# KiCad board CXD-ROUTER-v1.2.0.kicad_pcb (continued)
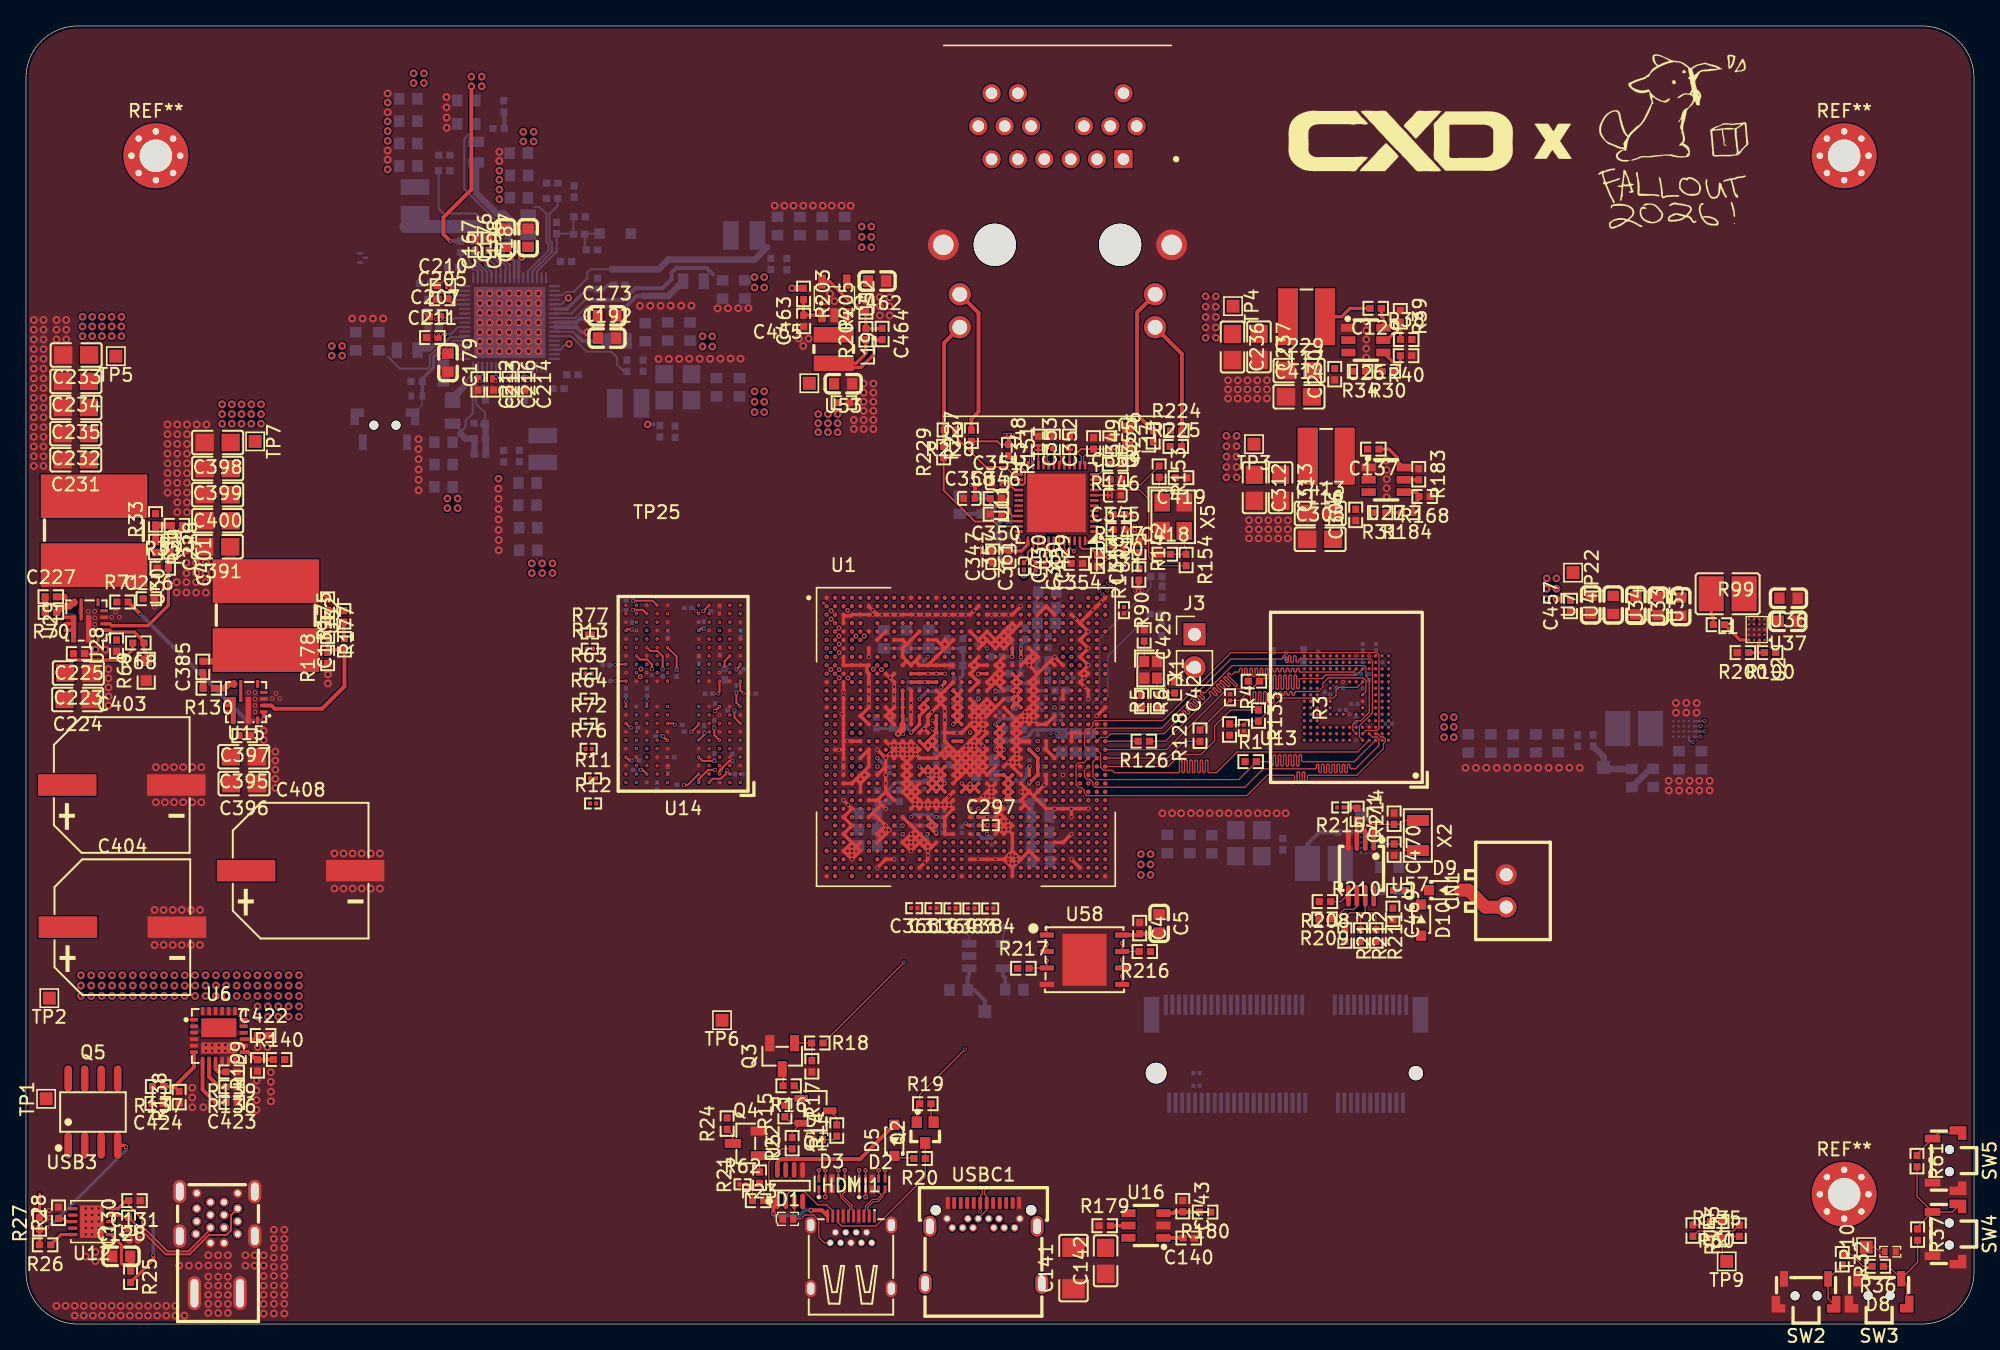
[diagram p0: board, top side]
## Routing (per net, layer and track width the routed paths; a pad name or vN(x,y) marks a point on that pad's centre or on a via; arc(x,y) is an arc through that point) (continued)
VCC1V8_PMU_DDR_S3: length 1.3
  Bottom w0.3: R47.1 36.83,93.34 R48.1
  vias: v2(46.2,52.12) v2(46.2,44.98) v2(48.6,51.48) v2(48.6,45.62) v2(52.6,51.48) v2(52.6,45.62) v2(55,52.12) v2(55,44.98)
VCC3V3_ETH: length 18.9
  Top w0.15: C358.2 74.25,63.6 C346.1 74.26,63.2 74.45,63 75.6,63 75.8,62.8 75.8,62.41 75.96,62.25 U11.33 ; R227.1 74.8,68 75.05,67.75 75.05,67.76 R151.1 ; C352.1 79.15,67.48 79.15,66.16 ; 76.44,61.85 75.3,61.85 75.12,62.03 C350.1
  Top w0.3: 75.67,67.71 v4(75.67,68.51) ; R147.1 v4(85.37,62.36) ; v4(85.37,62.66) v4(85.37,62.06) ; v4(72.77,64.66) v4(73.37,64.66) ; v4(84.87,59.16) v4(84.27,59.16) ; 73.07,63.86 v4(73.07,64.66) ; v4(85.97,56.51) v4(85.37,56.51) ; 84.57,61.21 v4(85.37,61.21) ; 84.57,59.96 v4(84.57,59.16) ; v4(85.37,61.51) v4(85.37,60.91) ; 85.67,57.31 v4(85.67,56.51) ; v4(75.37,68.51) v4(75.97,68.51)
  vias: v1(90.83,79.18) v1(90.83,78.38) v1(90.83,77.58) v1(90.83,76.78) v1(90.83,75.98) v1(91.62,79.18) v1(91.62,78.38) v1(91.62,77.58) v1(91.62,76.78) v1(91.62,75.98) v4(78.92,67.71) v4(79.27,67.36) v4(79.32,67.71)
VCC4V0_SYS: length 2.1
  Bottom w0.15: U18.21 35.49,81.05 34.62,81.93 v4(34.6,81.93) v4(35,81.93)
VCC5V0_SYS: length 6.6
  Top w0.3: U16.1 89.08,6.64 C140.2
  Bottom w0.15: v4(35.69,81.5) 35.49,81.7 v4(35.4,81.7) 35.4,81.49 35.84,81.05 U18.22
  Bottom w0.254: v1(37.29,82.2) 37.59,81.9 U18.27 ; U18.28 37.94,81.9 38.19,82.15 v1(38.19,82.21)
  vias: v1(4.35,77.6) v1(4.35,76.85) v1(4.35,76.1) v1(5.1,77.6) v1(5.1,76.85) v1(5.1,76.1) v1(5.85,77.6) v1(5.85,76.85) v1(5.85,76.1) v1(6.6,77.6) v1(6.6,76.85) v1(6.6,76.1) v1(7.35,77.6) v1(7.35,76.85) v1(7.35,76.1) v1(27.85,94.1) v1(27.85,92.65) v1(27.85,91.9) v1(27.85,91.15) v1(27.85,88.95) v1(36.45,88.85) v1(36.45,88.15) v1(36.45,87.4) v1(36.45,86.65)
VCC5V_HDMIRX_PORT: length 12.1
  Top w0.1: R23.2 56.81,10.21 57.2,10.6 57.2,12.5 58.2,13.5 R22.1
  Top w0.3: R23.2 56.86,9.45 U5.1 57.85,9.45 57.85,9.35 57.55,9.05 v5(57.55,8.5) ; HDMI1.19 61.29,8.76 v5(60.46,8.76)
  Bottom w0.3: v5(57.55,8.5) 57.55,8.45 57.65,8.35 59.55,8.35 59.96,8.76 v5(60.46,8.76)
VCC_1V1_NLDO_S3: length 11.6
  Top w0.254: C464.2 65.58,75.84 65.3,75.55 65.3,74.7 64.3,73.7 62.51,73.7 L19.2 63.91,74.01 64.67,74.78 R204.1
  Bottom w0.15: U18.13 32.84,78.56 32.22,79.17 32.22,79.38 32.17,79.38 v4(32.17,79.46) v4(31.77,79.46)
  vias: v1(61,70.1) v1(61,69.4) v1(61,68.7) v1(61.75,70.1) v1(61.75,69.4) v1(61.75,68.7) v1(62.5,70.1) v1(62.5,69.4) v1(62.5,68.7)
VCC_1V8_S0: length 10.2
  Top w0.1: Q2.2 69.68,15.76 R19.2
  Top w0.254: U1.W25 U1.Y26 U1.AA26 U1.AB26 U1.AC25
  Bottom w0.254: C286.2 73.7,52.36 v4(74,52.05) ; v4(65.55,42.95) 65.56,42.94 C13.2 ; C15.1 73.62,37.43 C298.2 74.33,37.43 v4(74,37.75) ; C299.1 v4(77.24,41.74) 77.82,42.32 C289.2 77.92,42.37 C293.2 77.92,43.64 C287.2
VCC_1V8_S3: length 102
  Top w0.3: v4(32.69,83.4) 32.14,83.95 32.14,85.25 34.29,87.4 v1(34.29,95.35) ; C5.2 87.15,30.07 C4.2 85.66,29.97 U58.8
  In5.Cu w2: 45.22,47.22 42.82,47.22 20.08,69.95 20.08,88.99 28.83,97.73 32.66,97.73 v1(34.29,96.1)
  Bottom w0.15: U18.25 36.89,81.15 36.94,81.2 36.94,81.55 36.56,81.93 36.56,82.77 36.94,83.15 36.94,83.16 36.94,84 36.74,84.2 36.74,84.7 36.49,84.95 36.24,84.95 33.74,87.45 33.74,91.3 34.14,91.7 34.19,91.7
  Bottom w0.254: v4(77.9,44.9) 77.9,44.91 C11.1
  Bottom w0.3: R57.2 32.72,83.43 v4(32.69,83.4)
  vias: v1(35.09,96.1) v1(35.09,95.35)
VCC_1V8_S3_PLDO6: length 2.8
  Bottom w0.15: C197.2 34.25,82.51 34.09,82.35 34.09,81.88 34.49,81.48 34.74,81.48 35.14,81.08 U18.20
VCC_2V0_PLDO_S3: length 14.2
  Bottom w0.15: U18.41 42.02,77.86 43.07,78.91 43.52,78.91
  Bottom w0.3: 52.92,80.86 52.42,81.36 50.07,81.36 49.72,81 49.72,80.5 49.02,79.81 46.92,79.81 46.02,78.91 43.52,78.91
  vias: v1(56.09,80.65) v1(56.09,79.85) v1(56.84,80.65) v1(56.84,79.85)
VCC_3V3_S0: length 15.1
  Top w0.3: D5.2 64.23,12.71 58.11,12.71 57.85,12.45 U5.8
  Bottom w0.254: v4(77.9,44.25) 77.92,44.27 C288.2 ; v4(77.9,41.65) 77.9,41.66 C300.1
  Bottom w0.3: TP24.1 73.83,24.92 73.01,25.74 C466.2 72.5,26.7 72.5,26.7 72.62,26.82 U46.1
VCC_3V3_S3: length 78.2
  Top w0.1: 79.2,47.5 79.2,47.49 v4(79.2,47.48)
  In5.Cu w0.3: 60.8,49.33 61.54,49.33 64.94,45.93 65.3,45.93 66.2,45.03 73.98,45.03 74.15,45.2
  In5.Cu w1: 74.15,45.2 76.94,45.2 79.09,47.35 ; 60.8,49.33 58.2,51.93 58.2,53.43 54.8,56.83 48.2,56.83 30.43,74.6 v1(24.34,74.6)
  Bottom w0.15: 27.89,74.5 28.79,73.6 30.89,73.6 31.11,73.82 31.11,74.62 31.65,75.15 32.29,75.15 32.9,75.75 U18.5
  Bottom w0.3: U46.5 75.22,26.83 75.4,26.65 C467.2
  vias: v1(23.54,75.35) v1(23.54,74.6) v1(24.34,75.35)
VCCA_1V8_S0: length 13.1
  Top w0.1: R143.2 128.76,7.17 131.47,7.17 R41.2
  Top w0.254: 72.7,38.4 72.55,38.4 v4(72.35,38.6) ; U1.H23 U1.G23
  Bottom w0.15: v4(36.95,72.73) 36.95,72.83 v4(37.15,73.03) 37.24,73.12 U18.60
  Bottom w0.254: v4(68.15,39.05) 68.33,39.23 69.73,39.23 69.92,39.05 v4(70.09,39.05) 70.7,39.05 C34.2 ; C29.1 78.53,48.8 C26.1 ; C38.2 69.4,37.2 v4(69.4,37.73) ; C49.1 78.24,47.8 C50.1 ; C307.1 72.06,38.31 v4(72.35,38.6) ; C23.1 v4(75.92,51.41) C22.1 75.96,51.42 C18.1 75.96,52.44 75.7,52.69
  vias: v4(72.7,45.59)
VCCA_3V3_S0: length 1.2
  Bottom w0.15: v4(36.15,72.62) 36.2,72.68 v4(36.2,72.98) 36.19,72.98 U18.63
  Bottom w0.254: v4(67.5,37.75) 67.52,37.73 C127.1
VCCIO_SD_S0: length 2.7
  Bottom w0.15: U18.65 35.49,72.95 35.17,72.62 v4(34.95,72.62)
  Bottom w0.254: v4(65.55,43.6) 66.23,42.92 C12.1
VDD2_DDR_S3: length 91.8
  Top w0.15: v2(51.8,44.98) 52.25,45.43 v4(52.25,45.53) ; v4(45.35,50.78) 45.7,50.78 45.75,50.83 v2(46.2,50.83) ; v4(45.4,49.53) v2(46.2,49.53) ; v2(55,50.83) 55,50.73 v4(54.7,50.43) ; v2(47.8,47.58) v4(47.8,47.98) ; v4(51.25,45.62) 51.8,46.18 v2(51.8,46.28) ; v2(55,47.58) 54.7,47.88 v4(54.7,48.62) ; v2(48.6,55.38) 48.25,55.73 v4(46.75,55.73) ; v4(50.1,50.43) 50.1,51.43 v2(49.4,52.12) ; v4(53.98,42.65) 53.92,42.59 53.92,42.41 53.52,42.01 52.88,42.01 v2(52.6,41.73) ; v4(55.25,48.58) 55,48.83 v2(55,49.53) ; v4(49.05,45.28) 49.35,44.98 v2(49.4,44.98) ; v2(55,46.28) 54.55,46.73 v4(54.55,47.28) ; v2(46.2,47.58) v4(46.2,47.98) ; v2(52.6,55.38) 52.6,55.37 v4(52.15,54.93) ; v2(53.4,49.53) 53.4,48.68 v4(53.3,48.58) ; v2(53.4,47.58) v4(53.05,47.23) ; v2(49.4,46.28) 49.85,46.28 v4(49.97,46.15) ; v2(46.2,46.28) 46.53,45.94 v4(46.56,45.94)
  In5.Cu w2: v1(38.29,91.85) 34.04,91.85 22.16,79.97 22.16,73.02 24.51,70.68 29.67,70.68 34.84,65.51 34.84,59.21 43.28,50.78 v4(45.35,50.78)
  Bottom w0.15: v4(53.98,42.65) 54.27,42.36 C257.2 ; v4(46.2,47.98) 46.19,47.98 C320.2 ; v4(45.4,49.53) 45.39,49.53 45.01,49.53 ; 39.14,86.05 39.54,86.05 40.06,85.53 40.06,83.38 40.24,83.2 40.24,82.7 38.64,81.1 U18.30 ; C317.2 47.81,47.99 v4(47.8,47.98) ; v4(53.3,48.58) 53.29,48.57 C327.2 ; 55.64,48.58 55.63,48.58 v4(55.25,48.58) ; v4(45.35,50.78) 44.97,50.78 C410.2
  vias: v1(38.29,91.1) v1(39.09,91.85) v1(39.09,91.1) v2(47.8,49.53) v2(48.6,41.73) v2(49.4,50.83) v2(51.8,52.12) v2(51.8,50.83)
VDD_0V75_S0: length 9.1
  Top w0.254: 76.6,51.4 76.6,52.05 ; U1.AG19 U1.AG20 ; U1.AA25 U1.AB25
  Bottom w0.15: U18.8 33.25,76.81 32.69,76.25 v4(32.3,76.25)
  Bottom w0.254: C295.2 74.61,39.07 v4(74,39.07) ; v4(77.27,42.97) 77.08,42.78 C290.2 77.08,42.21 C291.2 ; C21.1 76.63,52.43 C20.1 v4(76.61,52.05) v4(76.61,51.39) 76.59,51.37 C25.1 ; C14.1 v4(74,39.07) ; v4(74,39.07) C296.2
  vias: v4(31.6,76.25) v4(31.95,76.25)
VDD_0V75_S3: length 2.3
  Bottom w0.15: v4(32.55,80.18) v4(32.55,79.83) 32.55,79.24 32.89,78.91 U18.14
VDD_CPU_BIG0_S0: length 4.8
  Top w0.254: R99.2 131.97,52.7 U2.A4 ; L1.2 129.76,54.64 129.93,54.48 R99.1
  vias: v1(117.09,57.45) v1(117.09,56.65) v1(117.09,55.85) v1(117.84,57.45) v1(117.84,56.65) v1(117.84,55.85)
VDD_CPU_BIG1_MEM_S0: length 4.4
  Bottom w0.254: v4(73.34,48.18) 72.96,47.81 C60.1 ; v4(74.65,48.76) 75.11,48.76 75.31,48.96 C119.1
  Bottom w0.5: L20.2 125.06,42.77 U55.2
VDD_CPU_BIG1_S0: length 96.1
  Top w0.1: 75.95,47.5 75.95,47.75 v4(76.25,48.05) ; U1.N23 75.95,48.32 v4(76.19,48.56)
  Top w0.254: 76.27,49.77 76.59,49.45 76.6,49.45 76.27,49.12 ; 76.27,49.77 76.27,49.78 U1.K23 ; 76.27,49.77 U1.L23 76.27,49.13 76.27,49.12 ; 76.27,49.77 76.6,50.1 ; 76.27,49.12 76.28,49.12 76.6,48.8 U1.N23 76.6,47.5 ; 76.27,49.12 U1.M23 76.6,48.15 75.95,47.5 ; U1.T17 U1.R16 72.05,47.5 U1.N16 U1.M17 ; U1.M16 U1.N17 71.4,47.5 U1.R17 v4(71.4,46.2)
  In4.Cu w2: v1(109.19,46.75) 101.14,46.75 92.79,55.1 84.65,55.1 v4(83.25,56.5)
  In5.Cu w1: v4(83.25,56.5) 82.58,56.5 81.13,55.05 81.1,55.08 80.5,55.08 80.07,54.65 78.83,54.65 78.8,54.62 78.76,54.62 76.91,52.78 76.31,52.78 75.67,52.14 75.62,52.14 75.19,51.71 75.19,51.66 74.5,50.96 74.5,49.63 74.57,49.63 75.62,50.68 76.22,50.68 76.26,50.71 76.31,50.66 76.1,50.66 ; v4(71.4,46.2) 71.4,47.28 73.39,49.27 74.13,49.27 75.52,50.66 76.1,50.66 ; v4(76.25,48.05) 76.25,50.51 76.1,50.66
  Bottom w0.15: v4(129.24,46.45) 129.24,46.45 U54.A4
  Bottom w0.254: C100.1 77.81,56.29 C94.2 77.37,49.6 C92.1 C93.1 ; C76.1 72.05,52.05 C67.1 72.15,50.75 C65.1 72.14,49.97 C63.1 71.95,46.9 C61.1 71.98,46.78 v4(71.4,46.2)
  Bottom w0.5: R202.2 121.48,43.71 TP23.1 121.6,42.76 L20.1
  vias: v1(109.19,46) v1(109.19,45.2) v1(109.94,46.75) v1(109.94,46) v1(109.94,45.2) v4(82.65,56.5) v4(82.9,56.2) v4(83,56.8) v4(83.3,57.1) v4(83.55,56.8)
VDD_CPU_LIT_S0: length 89.1
  Top w0.254: U1.Y22 v4(74.65,44.25) U1.V22 U1.U21 U1.T22 ; v4(74.65,46.2) U1.U22 U1.V21 v4(75.3,44.25) U1.Y21
  In4.Cu w1: 79.65,45.6 78.55,45.6 78.4,45.75 78.4,50 78.55,50.15 78.55,51.02 78.47,51.1 78.47,51.7 78.55,51.78 78.55,54.48 76.4,56.62 74.08,56.62 67.38,63.32 67.38,80.66 v1(65.09,82.95)
  In5.Cu w0.254: 78.9,43.8 77.35,43.8 76.9,44.25 v4(75.3,44.25)
  In5.Cu w0.5: 78.9,43.8 79.74,44.64 v4(79.74,45.5) 78.9,45.5 v4(78.9,45.5)
  Bottom w0.15: U18.37 41.33,79.25 41.58,79.5 42.17,79.5 43.22,80.56 43.22,81 43.47,81.25 45.12,81.25
  Bottom w0.254: C73.2 81.95,45.5 v4(79.74,45.5) 79.47,45.77 77.57,45.77 77.31,45.51 77.31,45.42 77.05,45.15 76.87,45.15 76.83,45.12 C56.2 74.69,44.94 C53.2 ; v4(74.65,46.2) 74.98,46.54 C121.2 75.03,46.64 C120.1 ; v4(74.65,44.25) 74.65,44.26 C53.2 ; C53.2 74.65,44.9 v4(75.3,44.25)
  Bottom w0.5: 57.07,82.96 56.12,82 49.47,82 48.72,81.25 45.12,81.25
  vias: v1(64.34,84.55) v1(64.34,83.75) v1(64.34,82.95) v1(65.09,84.55) v1(65.09,83.75) v4(79.35,45.5)
VDD_DDR_S0: length 55.7
  Top w0.254: 69.12,47.17 69.12,47.18 68.8,47.5 69.15,47.85 ; 69.12,47.17 U1.R12 U1.T12 U1.U11 ; 69.12,47.17 69.45,47.5 69.15,47.8 69.15,47.85 ; 70.1,49.45 v4(69.2,49.45) U1.L11 ; 69.15,47.85 U1.N13
  In5.Cu w0.3: v4(68.15,45.58) 67.79,45.95 C1.2
  In5.Cu w0.5: 67.35,46.9 67.35,46.52 C1.2 ; 60.12,59.22 60.12,58.91 66.34,52.69 66.65,52.69
  In5.Cu w0.8: 67.35,50.14 67.48,50.01 67.48,49.36 67.48,49.36 67.48,48.84 67.48,48.84 67.48,48.76 67.48,48.76 67.48,48.24 67.48,48.24 67.48,48.06 67.48,48.06 67.48,47.54 67.48,47.54 67.48,47.03 67.35,46.9
  In5.Cu w1: 67.35,50.14 66.65,50.84 66.65,52.69 ; v1(52.84,76.1) 54.53,76.1 60.12,70.51 60.12,59.22
  Bottom w0.15: U18.46 41.97,76.11 43.17,74.91 45.07,74.91 45.52,74.46 45.52,73.91 46.04,73.38 C196.1
  Bottom w0.254: C58.2 C281.2 69.18,49.44 v4(69.2,49.45) ; C57.2 66.68,45.89 C43.2 67.61,45.91 C1.2 67.79,45.95 v4(68.15,45.58)
  vias: v1(52.09,76.1) v1(52.09,75.3) v1(52.84,75.3)
VDD_GPU_S0: length 82.2
  Top w0.254: U1.AB12 U1.AA13 v4(70.75,41.65) 70.1,41 U1.AC13 U1.AA15 ; 70.75,41 v4(68.8,42.95) ; v4(69.45,42.3) 70.1,42.95 U1.AB15 69.45,41
  In4.Cu w0.3: 72.8,55.62 75.1,53.33 ; 77.1,43.95 77.1,43.51 76.46,42.87 75.38,42.87 73.59,41.08 72.65,41.08 72.2,40.62
  In4.Cu w0.8: 72.2,40.62 71.8,40.62 71.68,40.75 71.68,40.91 71.31,41.28 71.14,41.28 71,41.43
  In4.Cu w1: v4(69.45,42.3) 70.33,41.43 71,41.43 ; v1(56.84,70.25) 58,70.25 72.62,55.62 72.8,55.62 ; 75.1,53.33 75.1,50.85 75.4,50.55 75.4,46.52 77.1,44.82 77.1,43.95
  In5.Cu w0.3: v1(41.82,75.5) 43.62,75.5 47.02,72.11 47.02,69.61 47.32,69.31 v1(47.87,69.31)
  Bottom w0.15: v1(41.82,75.5) 41.57,75.5 41.12,75.06 U18.49
  Bottom w0.254: v4(70.11,42.26) 69.49,42.26 v4(69.45,42.3) v4(68.8,42.95) ; v4(70.11,42.26) 69.67,42.26 C69.2 68.26,41.77 68.2,41.72 66.97,41.72 C71.2 66.36,40.25 C79.2 66.36,40.23 C72.2 65.56,36.86 C80.2 ; v4(70.11,42.26) 70.36,42.26 70.75,41.87 v4(70.75,41.65)
  Bottom w0.3: v1(47.87,69.31) 48.32,69.31
  vias: v1(56.09,71.85) v1(56.09,71.05) v1(56.09,70.25) v1(56.84,71.85) v1(56.84,71.05)
VDD_LOG_S0: length 61
  Top w0.254: 73.35,41 72.7,41.65 72.05,41 ; v4(73.32,50.07) 73.36,50.1 U1.K20 ; U1.V17 U1.V16 ; v4(72.05,41.65) 72.7,41 U1.AC19
  In4.Cu w0.3: 73.66,43.06 74.08,43.48 74.08,44.93 72.55,46.46 72.55,47.4
  In4.Cu w0.5: v4(72.05,41.65) 72.25,41.85 72.43,41.85 v4(72.68,41.6)
  In4.Cu w0.6: 67.96,54.15 67.96,55.06 67.6,55.43
  In4.Cu w1: 67.6,55.43 67.53,55.43 62.86,60.1 43.84,60.1 41.59,57.85 v1(40.54,57.85) ; 73.66,43.06 73.55,43.06 72.34,41.85 ; 72.55,47.4 72.55,49.56 67.96,54.15
  Bottom w0.254: v4(73.32,50.07) 73.33,50.07 73.35,50.05
  Bottom w0.3: C110.2 73.62,62.42 C109.2 ; C110.2 74.1,62.4 74.83,63.14 C106.2 ; C110.2 74.09,62.4 74.57,61.93 C108.2 74.83,61.92 C107.2 74.83,60.31 75.02,60.13 C102.2 C104.2
  vias: v1(36.38,65.12) v1(38.94,58.6) v1(38.94,57.85) v1(39.74,58.6) v1(39.74,57.85) v1(40.54,58.6)
VDD_NPU_S0: length 34.6
  Top w0.254: U1.AB23 U1.AC22 75.95,41 v4(75.3,40.35) ; v4(75.95,40.35) 75.3,41 U1.AC23 U1.AB22 U1.AB21
  In4.Cu w0.5: v4(75.3,40.35) v4(75.95,40.35) 77.02,39.28 77.02,36.92 77.84,36.1
  In4.Cu w2: v1(85.84,35.4) 82.08,35.4 81.1,34.43 79.52,34.43 77.84,36.1
  Bottom w0.254: C111.2 75.33,40.32 v4(75.3,40.35) ; C111.2 75.7,40.27 C113.2 77.45,40.21 C116.2 ; C111.2 75.92,40.32 v4(75.95,40.35)
  Bottom w0.3: R201.1 101.91,37.9 102.81,37.9 102.83,37.93 TP26.1 ; R201.2 99.58,37.88 98.67,36.97 L2.2
  vias: v1(85.84,36.2) v1(85.84,34.6) v1(86.59,36.2) v1(86.59,35.4) v1(86.59,34.6)
VDD_VDENC_S0: length 116.3
  Top w0.254: 69.77,45.23 U1.V13 ; 69.77,45.23 70.1,44.9 69.77,44.58 ; 69.77,45.23 70.1,45.55 ; U1.V13 69.77,44.58 ; U1.V13 69.12,44.58 ; 70.1,46.2 70.1,46.21 v4(69.81,46.5) ; 69.77,44.58 70.1,44.25 ; 69.77,44.58 U1.W13 69.12,44.58 ; 70.1,46.85 70.1,45.55 ; 70.1,45.55 v4(69.8,45.85) ; U1.V12 69.12,44.58
  In4.Cu w0.3: 60.1,42.12 60.98,41.25 66.33,41.25 67.7,42.61 67.7,43.23 67.99,43.52 69.27,43.52 69.95,44.2
  In4.Cu w0.5: 69.95,44.2 69.95,45.7 v4(69.8,45.85) 69.81,45.86 v4(69.81,46.5)
  In4.Cu w1: 31.84,71.35 31.56,71.07 31.56,60.38 ; 56.84,49.35 56.84,49.36 53.05,49.36 52.49,48.8 44.65,48.8 43.84,49.6 ; 60.1,42.12 60.1,46.09 58.35,47.85
  In4.Cu w2: 31.56,60.38 42.34,49.6 43.84,49.6 ; v1(30.64,96.35) 30.64,84.65 28.59,82.6 28.59,79.35 29.84,78.1 29.84,73.35 31.84,71.35 ; 58.35,47.85 56.84,49.36
  Bottom w0.15: C168.1 31.77,85.93 32.14,85.55 34.64,85.55 35.74,84.45 35.74,82.45 36.04,82.15 36.04,82.12 36.54,81.62 U18.24
  Bottom w0.254: v4(69.8,45.85) 69.8,45.84 C84.2 70.1,45.53 C86.1 70.1,43.95 C88.1 72.4,43.95 72.4,43.95 72.91,43.44 C89.1 C90.1
  vias: v1(29.84,96.35) v1(29.84,95.6) v1(30.64,95.6)
VDDA_0V75_S0: length 0
  Bottom w0.254: v4(67.5,38.4) 67.49,38.4 C125.1
VDDA_0V85_S0: length 6.1
  Top w0.254: 69.77,38.73 69.45,38.41 U1.AH13 69.75,38.1 ; 69.77,38.73 70.1,38.4 69.8,38.1 69.75,38.1 ; 69.77,38.73 U1.AG13 ; 69.75,38.1 70.1,37.75
  Bottom w0.15: v4(32.25,77.4) 32.95,77.4 33.05,77.5 33.3,77.5 33.3,77.5 U18.10
  Bottom w0.254: v4(70.09,37.87) 70.11,37.88 C33.2 69.49,38.42 C36.2 69.46,38.41 C37.2
  vias: v4(31.55,77.4) v4(31.9,77.4)
VDDA_1V2_S0: length 2.5
  Top w0.254: U1.AH20 U1.AH19
  Bottom w0.15: v4(38.65,72.68) 38.65,72.88 v4(38.55,72.98) 38.29,73.23 U18.57
  Bottom w0.254: v4(74.04,38.43) C17.1
VDDA_DDR_PLL_S0: length 2.7
  Top w0.254: v4(70.44,49.06) 70.75,49.36 U1.L15
  Bottom w0.254: v4(68.8,48.15) 69.39,48.73 C282.2 70.42,49.04 v4(70.44,49.06)
VDDQ_DDR: length 12
  Top w0.15: v2(47.8,54.73) 47.5,55.03 v4(46.75,55.03) ; v2(51.8,53.43) 51.95,53.58 v4(52.2,53.58) ; v4(49.02,50.44) 49.02,51.45 48.63,51.84 48.08,51.84 v2(47.8,52.12) ; v4(47.33,42.7) 47.47,42.7 v2(47.8,42.38) ; v4(53,43.38) 52.1,43.38 v2(51.8,43.68) ; v2(53.4,42.38) 53.4,42.62 54.15,43.38 v4(54.4,43.38) ; v2(46.2,53.43) 46.3,53.53 v4(46.65,53.53) ; v4(50.65,41.53) 50.95,41.53 v2(51.8,42.38) ; v4(53,45.93) 53,45.38 v2(53.4,44.98) ; v4(46.65,43.43) 46.45,43.43 v2(46.2,43.68) ; v2(51.8,54.73) v4(51.6,54.93)
  Bottom w0.15: C272.2 51.35,55.18 v4(51.6,54.93)
  vias: v2(47.8,44.98) v2(49.4,54.73) v2(49.4,53.43) v2(49.4,43.68) v2(49.4,42.38) v2(53.4,54.73) v2(53.4,52.12) v2(55,53.43) v2(55,43.68)
VDDQ_DDR_CKE_S3: length 0.5
  Bottom w0.254: C439.2 69.14,51.09 v4(69.45,51.4)
VDDQ_DDR_S0: length 65.9
  Top w0.254: U1.M10 U1.T10 ; v4(70.75,50.1) U1.K11
  Top w0.5: v4(67.14,45.47) 67.5,45.83 U1.T10
  In4.Cu w0.5: v4(70.75,50.1) v4(70.1,50.1) v4(69.45,50.1) 69.2,50.35 68.59,50.35 ; 67.55,47.35 v4(67.55,45.45) 67.53,45.47 v4(67.14,45.47)
  In4.Cu w1: 67.59,50.35 67.55,50.31 67.55,47.35 ; 67.59,50.35 65.84,52.1 65.84,54.6 62.34,58.1 44.34,58.1 42.59,56.35 38.41,56.35 33.24,61.52 v1(33.24,62.85) ; 67.59,50.35 68.59,50.35
  Bottom w0.15: 33.39,68.9 33.64,68.9 33.84,69.1 33.84,69.6 34.39,70.15 34.39,72.83 34.79,73.23 U18.67
  Bottom w0.5: 33.44,68.6 33.83,68.21 R50.2 34.53,68.2 C183.2
  vias: v1(32.44,63.6) v1(32.44,62.85) v1(33.24,63.6)
/ETHERNET & MAGNETICS/CKXTAL1_E2: length 5.6
  Top w0.09: R153.1 85.8,64.65 U11.10
/ETHERNET & MAGNETICS/CKXTAL2_E2: length 12.1
  Top w0.09: U11.9 85.75,64.25 86.45,63.55 86.45,59.1 87.13,58.42 R154.2
/ETHERNET & MAGNETICS/CLKREQB_E2: length 2.3
  Top w0.09: U11.48 82.71,60.34 83.05,60 R231.2
/ETHERNET & MAGNETICS/EVDD33_E0: length 2.1
  Top w0.15: U11.43 79.55,59.85 79.91,59.5 79.91,59.17 C354.2
/ETHERNET & MAGNETICS/GIP/GPO_E2: length 1.6
  Top w0.09: 82.26,61.85 82.75,61.85 83.26,62.36 R147.2
/ETHERNET & MAGNETICS/LANWAKEB_E2: length 1.6
  Top w0.09: R230.2 83.11,61.2 82.85,61.45 U11.2
/ETHERNET & MAGNETICS/LED1/EESK/SPISCK_E2: length 3.2
  Top w0.15: R151.2 75.75,66.89 76.93,65.71 76.93,64.78 76.8,64.65 U11.27
/ETHERNET & MAGNETICS/LED2/EEDO/SPISO_E2: length 6.6
  Top w0.15: U11.25 76,65.45 75.42,66.03 73.9,66.03 71.58,68.36 R228.1
/ETHERNET & MAGNETICS/LED3_E2: length 9.4
  Top w0.15: R229.1 70.66,64.23 73.07,61.82 74.53,61.82 74.9,61.45 U11.35
/ETHERNET & MAGNETICS/MDIN0_2: length 28
  Top w0.09: v9(81.1,66.99) 81.26,66.82 81.26,66.27 81.15,66.16
  In2.Cu w0.09: J2.9 82.39,91.35 82.39,91.16 83.36,90.19 83.36,88.22 81.26,86.11 81.26,67.15 v9(81.1,66.99)
/ETHERNET & MAGNETICS/MDIN1_2: length 24.9
  Top w0.09: U11.18 79.66,66.27 79.66,66.81 v9(79.5,66.98)
  In2.Cu w0.09: J2.3 81.37,88.81 81.37,88.14 79.67,86.44 79.67,67.14 v9(79.5,66.98)
/ETHERNET & MAGNETICS/MDIN2_2: length 24.6
  Top w0.09: v9(78.3,66.99) 78.46,66.83 78.46,66.27 U11.21
  In2.Cu w0.09: J2.5 77.31,88.81 77.31,87.4 78.46,86.24 78.46,67.16 v9(78.3,66.99)
/ETHERNET & MAGNETICS/MDIN3_2: length 27.9
  Top w0.09: v9(77.1,66.97) 77.26,66.8 77.26,66.27 77.15,66.16
  In2.Cu w0.09: v9(77.1,66.97) 77.27,67.13 77.27,85.74 75.28,87.73 75.28,90.18 76.29,91.19 76.29,91.35 J2.11
/ETHERNET & MAGNETICS/MDIP0_2: length 28
  Top w0.09: v9(81.6,66.99) 81.44,66.82 81.44,66.27 U11.13
  In2.Cu w0.09: J2.8 82.56,91.35 82.56,91.23 83.54,90.26 83.54,88.14 81.44,86.04 81.44,67.15 v9(81.6,66.99)
/ETHERNET & MAGNETICS/MDIP1_2: length 24.9
  Top w0.09: U11.17 79.84,66.27 79.84,66.81 v9(80,66.98)
  In2.Cu w0.09: v9(80,66.98) 79.83,67.14 79.83,86.36 81.54,88.07 81.54,88.81 J2.2
/ETHERNET & MAGNETICS/MDIP2_2: length 24.6
  Top w0.09: v9(78.8,66.99) 78.64,66.83 78.64,66.27 78.75,66.16
  In2.Cu w0.09: v9(78.8,66.99) 78.64,67.16 78.64,86.31 77.48,87.47 77.48,88.81 J2.4
/ETHERNET & MAGNETICS/MDIP3_2: length 27.9
  Top w0.09: v9(77.6,66.97) 77.44,66.8 77.44,66.27 U11.23
  In2.Cu w0.09: v9(77.6,66.97) 77.43,67.13 77.43,85.81 75.45,87.8 75.45,90.11 76.46,91.12 76.46,91.35 J2.10
/ETHERNET & MAGNETICS/RSET_E2: length 1.7
  Top w0.1: U11.12 82.6,65.45 82.85,65.7 82.85,66.05 83.05,66.25 R146.2
/HDMI_RXDDC_SCL_PORT: length 5.2
  Top w0.1: U5.2 58.5,9.88 58.85,10.23 59.92,10.23 60.97,9.18 61.66,9.18 62.12,8.72 HDMI1.17
/HDMI_RXDDC_SDA_PORT: length 6.5
  Top w0.09: U5.3 59.15,9.02
  Top w0.1: HDMI1.18 61.47,6.26 61.04,6.69 61.04,8.01 60.65,8.4 59.97,8.4 59.68,8.1 D1.2 59.07,8.52 59.18,8.62 59.18,9.43 U5.3
/HDMIIRX_DET_L: length 1.3
  Top w0.1: R24.1 54.43,14.57 Q4.3
/PMIC RK806-1/PMIC_FB6: length 7.1
  Bottom w0.15: R52.1 40.95,86.15 40.29,85.5 40.29,83.5 40.49,83.3 40.49,82.6 38.99,81.1 U18.31
/PMIC RK806-1/PMIC_FB9: length 7.5
  Bottom w0.15: U18.66 35.14,73.15 34.99,73 34.89,73 34.64,72.75 34.64,70.9 35.34,70.2 35.34,69.43 35.37,69.4
  Bottom w0.5: C183.1 35.4,68.2 R50.1 35.39,69.11 35.19,69.3 35.3,69.4 35.37,69.4
/PMIC RK806-1/PMIC_SW4: length 9.9
  Bottom w0.15: 35.14,82.5 36.19,81.45 U18.23
  Bottom w0.3: 35.14,82.5 35.14,83.6
  Bottom w0.5: 35.14,83.6 35.14,83.88 34.78,84.25
  Bottom w1: 29.24,84.55 34.48,84.55 34.78,84.25
/PMIC RK806-1/PMIC_SW5: length 4.3
  Bottom w0.15: 42.47,76.11 42.12,76.46 U18.45
  Bottom w0.3: L12.1 42.85,75.72 42.47,76.11
/PMIC RK806-1/PMIC_SW9: length 3.4
  Bottom w0.15: 33.89,72.55 33.89,72.7 34.44,73.25 U18.68
  Bottom w0.3: 33.89,72.55 33.89,72.4 33.69,72.2
  Bottom w0.5: 32.49,71.55 33.19,71.55 33.19,71.7 33.69,72.2
/PMIC RK806-1/PMIC_SW10: length 14.7
  Bottom w0.15: U18.6 33.71,76.02 32.66,76.02 32.14,75.5 ; 37.24,83.45 37.24,83.05 36.79,82.6 36.79,82.05 37.24,81.6 U18.26
  Bottom w0.3: 37.24,83.45 37.24,84.55 ; 31.04,75.15 31.14,75.15 31.49,75.5 32.14,75.5
  Bottom w0.5: L8.1 34.66,87.13 36.24,85.55 36.79,85.55 37.24,85.1 37.24,84.55 ; L9.1 30.3,75.15 31.04,75.15
/PMIC RK806-1/PMIC_VDC: length 6.7
  Bottom w0.15: U18.32 39.34,81.1 40.85,82.61 R54.1 42.1,84 R53.1 42.15,85.27 C200.1
/PMU & CLOCK - E | F/XIN_24M: length 4.6
  Top w0.09: C425.2 86.1,51.05 X1.1 85.55,50.48 85.55,48.79 R6.1
/PMU & CLOCK - E | F/XOUT_24M: length 1.2
  Top w0.09: R6.2 R5.1
/TYPEC_VBUS: length 7.1
  Top w0.254: R25.2 9.8,4.96 v3(9.8,5.3) ; 8,3.21 7.98,3.24 ; R27.2 1.05,10
  Bottom w0.254: v3(9.8,5.3) v3(9.8,7.75)
/VCCIO - J | K | I/VSEL4: length 11.6
  Bottom w0.1: R111.2 86.61,56.74 82.64,52.78 82.64,48.35 82.14,47.85
/VCCIO - J | K | I/VSEL5: length 8.4
  Bottom w0.1: 82.79,47.85 83.29,48.35 83.29,51.42 R112.2
BIG/NPU_EN: length 3.1
  Top w0.254: 133.3,51.73 133.3,52.25 133.46,52.42 U2.A2 ; 133.3,51.73 R200.1 ; 133.3,51.73 R100.2
  Bottom w0.15: U54.A2 129.24,45.65 v4(129.24,45.65)
BOOT_SARADC_IN0: length 3.3
  Top w0.1: R41.1 130.74,6.75 R135.2 130.62,5.16 TP9.1
CPU_BIG1_VSEL: length 0.5
  Bottom w0.15: U54.A1 128.94,45.25 v4(128.94,45.25)
DDR_CH0_A0_A:
  vias: v2(54.2,46.28)
DDR_CH0_A0_B:
  vias: v2(54.2,50.83)
DDR_CH0_A1_A:
  vias: v2(54.2,46.93)
DDR_CH0_A1_B:
  vias: v2(54.2,50.18)
DDR_CH0_A2_A:
  vias: v2(48.6,46.28)
DDR_CH0_A2_B:
  vias: v2(48.6,50.83)
DDR_CH0_A3_A:
  vias: v2(47.8,46.28)
DDR_CH0_A3_B:
  vias: v2(47.8,50.83)
DDR_CH0_A4_A:
  vias: v2(47,46.28)
DDR_CH0_A4_B: length 15
  In1.Cu w0.09: v5(47.35,50.45) 47,50.8 v2(47,50.83)
  In2.Cu w0.09: v2(61.65,50.1) v12(61.3,50.1)
  In2.Cu w0.131: v5(47.35,50.45) 47.7,50.11 61.29,50.11 v12(61.3,50.1)
DDR_CH0_A5_A:
  vias: v2(47,46.93)
DDR_CH0_A5_B: length 16.2
  In1.Cu w0.09: v2(47,50.18) v5(47.3,49.88) ; v2(62.3,49.45) 62.6,49.75
  In2.Cu w0.131: v5(62.63,49.78) 62.62,49.77 47.41,49.77 v5(47.3,49.88)
DDR_CH0_CLKN_A:
  vias: v2(48.6,46.93)
DDR_CH0_CLKN_B:
  vias: v2(48.6,50.18)
DDR_CH0_CLKP_A:
  vias: v2(49.4,46.93)
DDR_CH0_CLKP_B:
  vias: v2(49.4,50.18)
DDR_CH0_DM0_A: length 15.6
  In1.Cu w0.09: v2(63.6,43.6) 63.3,43.9 63.3,43.91 v8(63.28,43.93)
  In1.Cu w0.1: v2(53.4,43.03) 53.68,43.31 v8(53.68,43.32)
  In2.Cu w0.131: v8(53.68,43.32) 53.68,43.33 53.68,44 53.95,44.27 53.95,44.98 56.19,47.23 62.25,47.23 62.85,46.62 62.85,44.33 63.25,43.93 v8(63.28,43.93)
DDR_CH0_DM0_B: length 30.9
  In1.Cu w0.09: v5(63.28,49.77) 63.93,50.42 63.93,51.72 v2(63.6,52.05) ; v2(53.4,54.08) v8(53.7,53.78)
  In2.Cu w0.131: v8(53.7,53.78) 53.7,53.38 53.55,53.23 53.55,51.35 53,50.8 46.72,50.8 46.5,50.58 46.5,49.68 46.74,49.43 62.94,49.43 v5(63.28,49.77)
DDR_CH0_DM1_A: length 30.5
  In1.Cu w0.09: v2(63.6,42.3) v8(63.3,42)
  In1.Cu w0.1: v2(47.8,43.03) 47.8,43.03 v8(47.48,43.34)
  In2.Cu w0.131: v8(63.3,42) 58.47,37.17 48.61,37.17 45.49,40.29 45.49,44.79 46.08,45.38 47.07,45.38 47.47,44.98 47.47,43.36 v8(47.48,43.34)
DDR_CH0_DM1_B: length 35.2
  In1.Cu w0.09: v2(47.8,54.08) v8(48.1,54.38) ; v2(63.6,53.35) 63.3,53.65 63.3,54.94 v5(63.26,54.98)
  In2.Cu w0.131: v8(48.1,54.38) 48,54.28 arc(47.93,54.24) 47.85,54.28 47.83,54.3 arc(47.75,54.33) 47.68,54.3 arc(47.65,54.22) 47.68,54.15 48.09,53.74 arc(48.12,53.67) 48.09,53.59 arc(48.01,53.56) 47.94,53.59 47.49,54.04 arc(47.42,54.07) 47.35,54.04 arc(47.31,53.96) 47.35,53.89 47.72,53.51 arc(47.75,53.44) 47.72,53.37 arc(47.64,53.33) 47.57,53.37 47.4,53.53 arc(47.33,53.56) 47.26,53.53 47.05,53.33 47.05,53.06 arc(47.08,52.99) 47.15,52.96 arc(47.22,52.94) 47.25,52.86 47.25,52.85 arc(47.22,52.78) 47.15,52.75 arc(47.08,52.72) 47.05,52.65 47.05,52.33 46.9,52.18 46.2,52.18 arc(46.17,52.25) 46.2,52.32 46.22,52.35 arc(46.25,52.42) 46.22,52.49 arc(46.15,52.53) 46.07,52.49 46.05,52.47 arc(45.98,52.44) 45.9,52.47 arc(45.87,52.55) 45.9,52.62 45.96,52.68 arc(45.99,52.75) 45.96,52.83 arc(45.88,52.86) 45.81,52.83 45.75,52.77 arc(45.68,52.74) 45.6,52.77 45.6,52.78 45.6,56.5 49.12,60.03 58.7,60.03 63.26,55.46 v5(63.26,54.98) 63.25,54.98